# Altium PCB SONDE_2.PcbDoc (part 7 of 10) (continued)
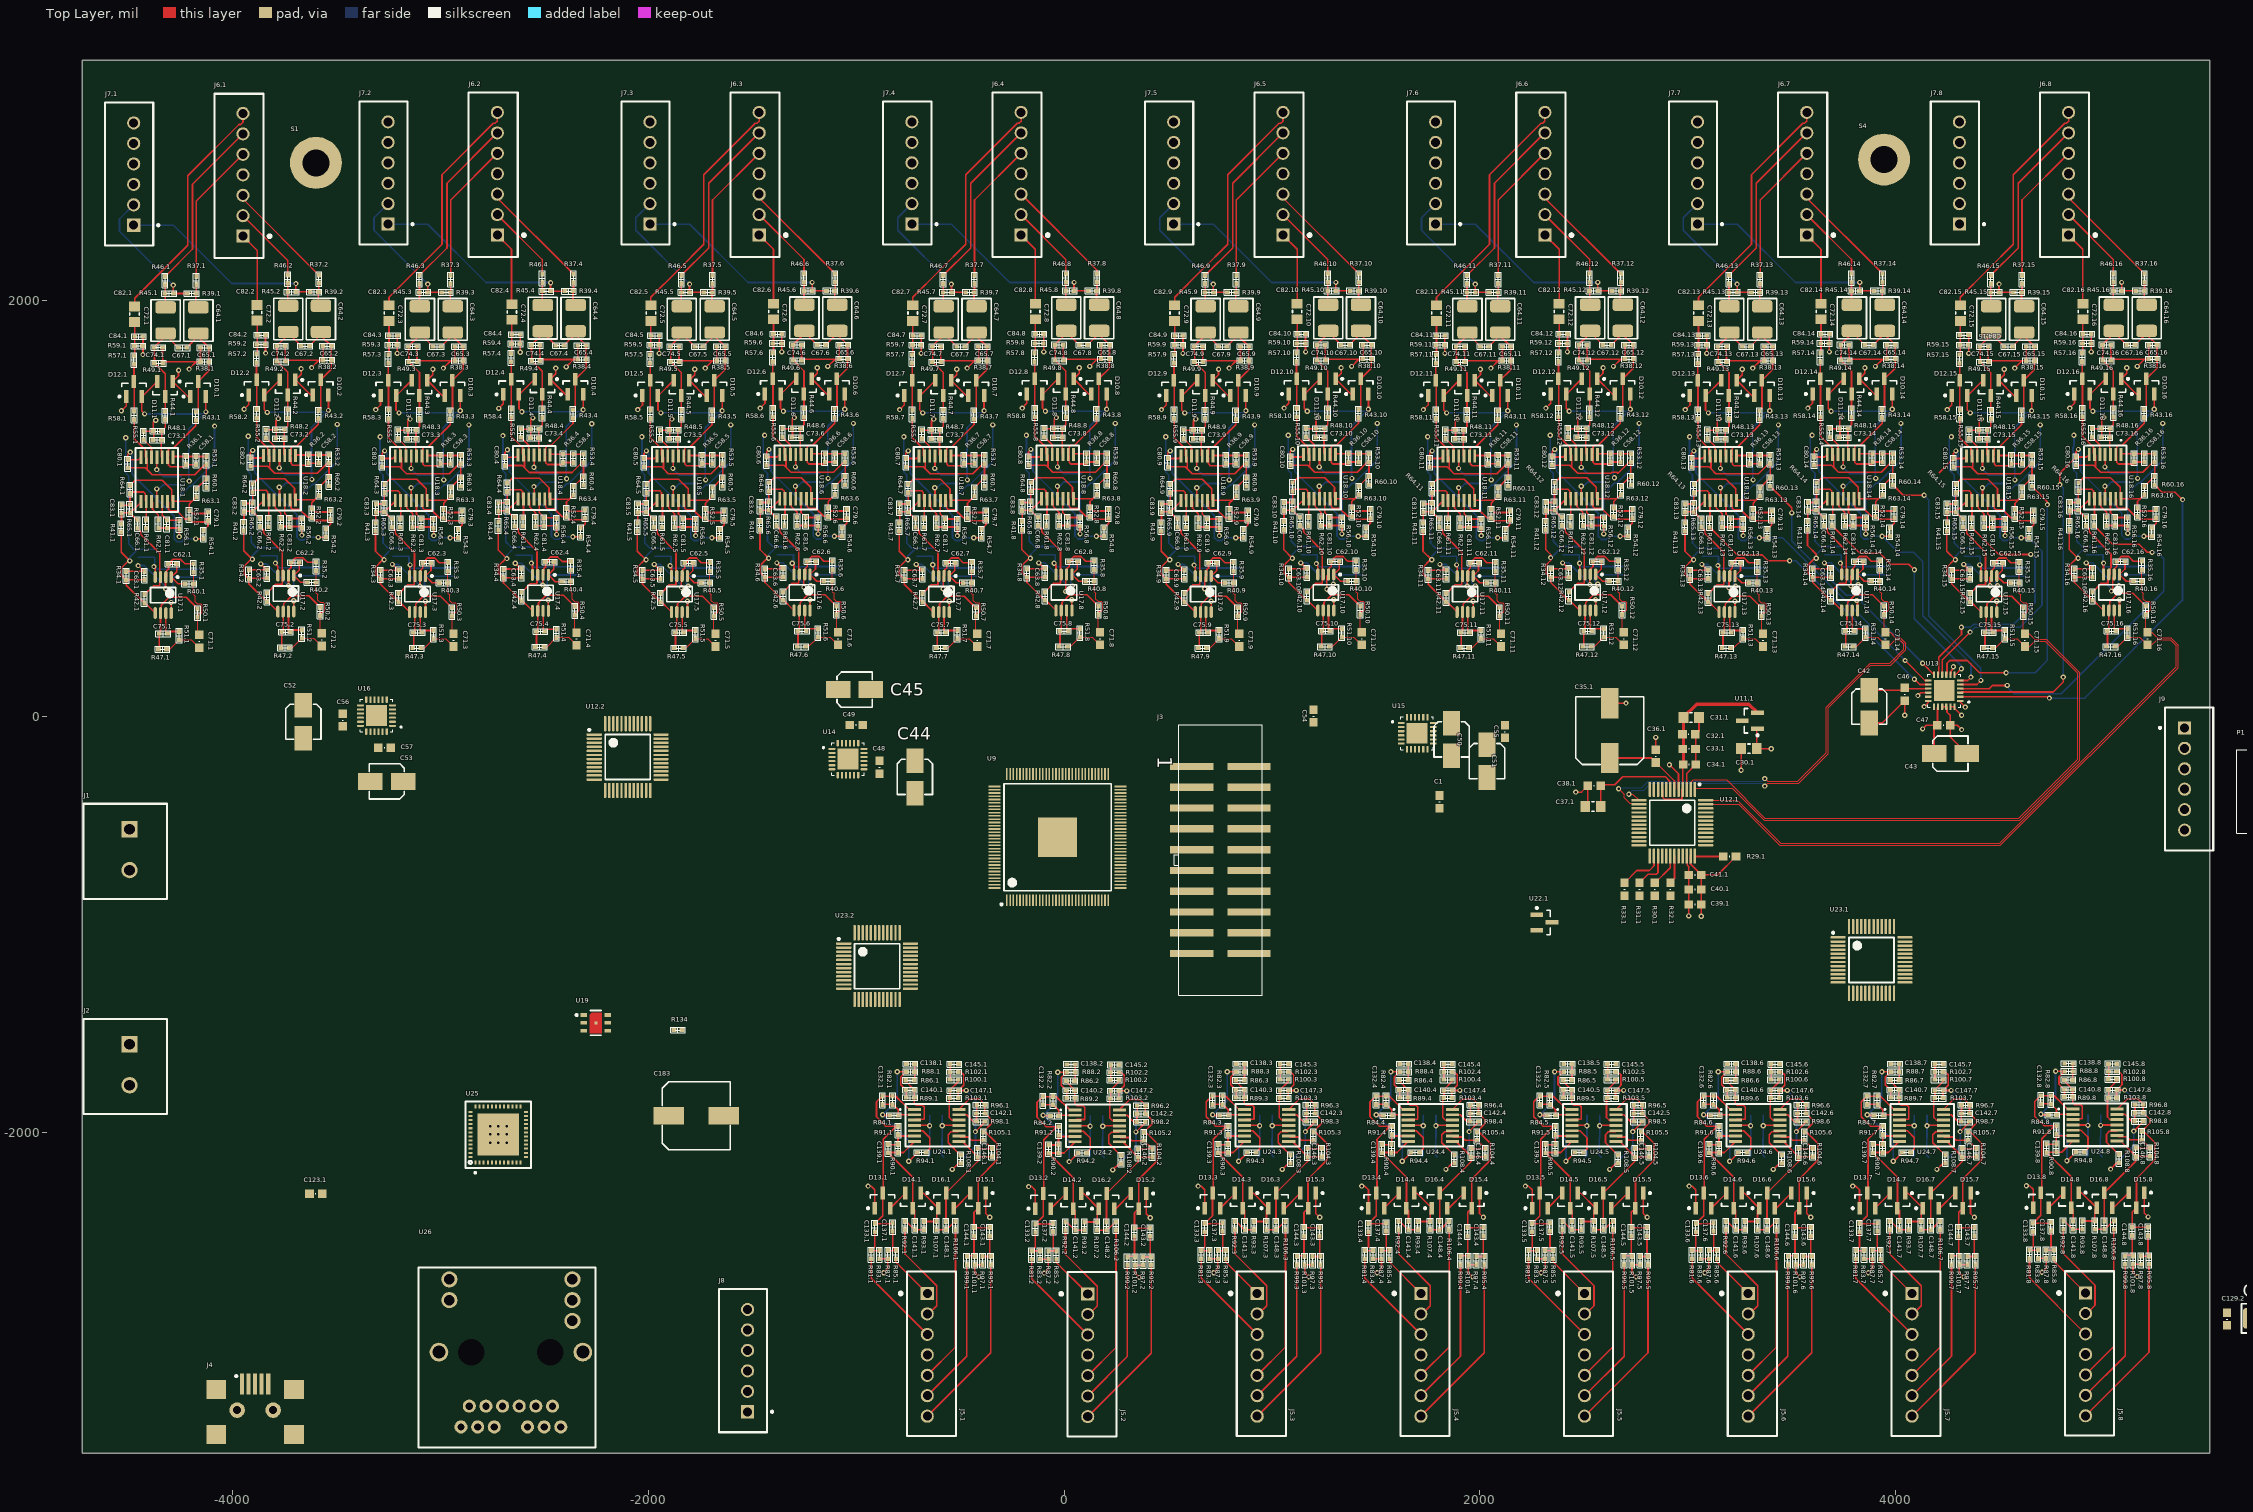
[diagram p0: Top Layer view]
## Nets (pads, with @x,y where several pads share a name; then routed paths per layer and width w, separated by ;. In a path a pad name is that pad's centre, name@x,y a point inside that pad or via, vN(x,y) a via of type N, cw(c..) or ccw(c..) an arc to the next point about the centre after c; other vN are vias at no path point) (continued)
NetC64.14_2: C64.14.2 C65.14.1 C67.14.1 D10.14.3 R38.14.1 R43.14.1 | length 503.9
  Top Layer w8: C67.14.1@3891.71,1787.66 C64.14.2@3947.62,1843.57 ; R43.14.1@3935.26,1478.33 3946.31,1489.38 D10.14.3@3946.31,1625.07 3997.31,1676.07 R38.14.1@3997.31,1719.65 C65.14.1@3997.31,1787.66 3997.31,1789.74 3975.55,1811.5 3973.47,1811.5 3947.62,1837.34 C64.14.2@3947.62,1843.57 ; C64.14.2@3947.62,1855.66 C64.14.2@3947.62,1843.57
NetC64.15_1: C64.15.1 R37.15.2 R39.15.1 | length 111.8
  Top Layer w8: R39.15.1@4605.48,2041.01 4605.48,1986.48 C64.15.1@4617.8,1974.16 ; R39.15.1@4607.8,2043.33 R37.15.2@4607.8,2083.17
NetC64.15_2: C64.15.2 C65.15.1 C67.15.1 D10.15.3 R38.15.1 R43.15.1 | length 503.9
  Top Layer w8: C67.15.1@4561.88,1780.18 C64.15.2@4617.8,1836.1 ; R43.15.1@4605.43,1470.86 4616.48,1481.9 D10.15.3@4616.48,1617.59 4667.48,1668.59 R38.15.1@4667.48,1712.17 C65.15.1@4667.48,1780.18 4667.48,1782.26 4645.72,1804.02 4643.64,1804.02 4617.8,1829.86 C64.15.2@4617.8,1836.1 ; C64.15.2@4617.8,1848.18 C64.15.2@4617.8,1836.1
NetC64.16_1: C64.16.1 R37.16.2 R39.16.1 | length 111.8
  Top Layer w8: R39.16.1@5195.15,2048.49 5195.15,1993.96 C64.16.1@5207.47,1981.64 ; R39.16.1@5197.47,2050.8 R37.16.2@5197.47,2090.65
NetC64.16_2: C64.16.2 C65.16.1 C67.16.1 D10.16.3 R38.16.1 R43.16.1 | length 503.9
  Top Layer w8: C67.16.1@5151.55,1787.66 C64.16.2@5207.47,1843.57 ; R43.16.1@5195.1,1478.33 5206.15,1489.38 D10.16.3@5206.15,1625.07 5257.15,1676.07 R38.16.1@5257.15,1719.65 C65.16.1@5257.15,1787.66 5257.15,1789.74 5235.39,1811.5 5233.31,1811.5 5207.47,1837.34 C64.16.2@5207.47,1843.57 ; C64.16.2@5207.47,1855.66 C64.16.2@5207.47,1843.57
NetC66.1_1: C66.1.1 C83.1.2 R41.1.2 R65.1.1 U18.1.8 | length 227.5
  Top Layer w8: R41.1.2@-4536.55,926.72 -4534.84,928.43 C83.1.2@-4534.84,978.38 -4536.55,980.03 R65.1.1@-4494.55,980.03 ; C66.1.1@-4457.55,946.4 -4460.92,946.4 R65.1.1@-4494.55,980.03 ; U18.1.8@-4441.33,1035.36 -4441.33,1031.18 -4478.91,993.59 -4483.09,993.59 -4494.55,982.13 R65.1.1@-4494.55,980.03
NetC66.1_2: C66.1.2 R42.1.2 U17.1.3 | length 418.8
  Top Layer w8: C66.1.2@-4457.55,907.03 -4441.4,890.88 -4441.4,876.39 -4350.51,785.5 -4350.51,671.33 U17.1.3@-4346.82,671.33 -4350.51,667.64 -4350.51,630.17 -4351.89,628.79 -4382.64,628.79 R42.1.2@-4424.84,586.6
NetC66.2_1: C66.2.1 C83.2.2 R41.2.2 R65.2.1 U18.2.8 | length 227.5
  Top Layer w8: R41.2.2@-3946.88,934.2 -3945.17,935.91 C83.2.2@-3945.17,985.85 -3946.88,987.51 R65.2.1@-3904.88,987.51 ; C66.2.1@-3867.88,953.88 -3871.25,953.88 R65.2.1@-3904.88,987.51 ; U18.2.8@-3851.65,1042.83 -3851.65,1038.66 -3889.24,1001.07 -3893.42,1001.07 -3904.88,989.6 R65.2.1@-3904.88,987.51
NetC66.2_2: C66.2.2 R42.2.2 U17.2.3 | length 418.8
  Top Layer w8: C66.2.2@-3867.88,914.51 -3851.72,898.35 -3851.72,883.87 -3760.84,792.98 -3760.84,678.81 U17.2.3@-3757.15,678.81 -3760.84,675.12 -3760.84,637.65 -3762.22,636.27 -3792.97,636.27 R42.2.2@-3835.16,594.07
NetC66.3_1: C66.3.1 C83.3.2 R41.3.2 R65.3.1 U18.3.8 | length 227.5
  Top Layer w8: R41.3.2@-3312.97,931.86 -3311.26,933.57 C83.3.2@-3311.26,983.51 -3312.97,985.17 R65.3.1@-3270.97,985.17 ; C66.3.1@-3233.97,951.54 -3237.34,951.54 R65.3.1@-3270.97,985.17 ; U18.3.8@-3217.74,1040.49 -3217.74,1036.32 -3255.33,998.73 -3259.51,998.73 -3270.97,987.27 R65.3.1@-3270.97,985.17
NetC66.3_2: C66.3.2 R42.3.2 U17.3.3 | length 420.1
  Top Layer w8: C66.3.2@-3233.97,912.17 -3217.81,896.01 -3217.81,881.53 -3125.36,789.07 -3125.36,721.09 -3126.93,719.53 -3126.93,676.47 U17.3.3@-3123.24,676.47 -3126.93,672.78 -3126.93,635.31 -3128.31,633.93 -3159.06,633.93 R42.3.2@-3201.25,591.73
NetC66.4_1: C66.4.1 C83.4.2 R41.4.2 R65.4.1 U18.4.8 | length 227.5
  Top Layer w8: R41.4.2@-2721.94,937.45 -2720.23,939.16 C83.4.2@-2720.23,989.1 -2721.94,990.76 R65.4.1@-2679.94,990.76 ; C66.4.1@-2642.94,957.13 -2646.31,957.13 R65.4.1@-2679.94,990.76 ; U18.4.8@-2626.71,1046.08 -2626.71,1041.91 -2664.3,1004.32 -2668.48,1004.32 -2679.94,992.86 R65.4.1@-2679.94,990.76
NetC66.4_2: C66.4.2 R42.4.2 U17.4.3 | length 418.8
  Top Layer w8: C66.4.2@-2642.94,917.76 -2626.78,901.6 -2626.78,887.12 -2535.9,796.23 -2535.9,682.06 U17.4.3@-2532.21,682.06 -2535.9,678.37 -2535.9,640.9 -2537.28,639.52 -2568.03,639.52 R42.4.2@-2610.22,597.33
NetC66.5_1: C66.5.1 C83.5.2 R41.5.2 R65.5.1 U18.5.8 | length 227.5
  Top Layer w8: R41.5.2@-2053.13,931.86 -2051.42,933.57 C83.5.2@-2051.42,983.51 -2053.13,985.17 R65.5.1@-2011.13,985.17 ; C66.5.1@-1974.13,951.54 -1977.5,951.54 R65.5.1@-2011.13,985.17 ; U18.5.8@-1957.9,1040.49 -1957.9,1036.32 -1995.49,998.73 -1999.67,998.73 -2011.13,987.27 R65.5.1@-2011.13,985.17
NetC66.5_2: C66.5.2 R42.5.2 U17.5.3 | length 418.8
  Top Layer w8: C66.5.2@-1974.13,912.17 -1957.97,896.01 -1957.97,881.53 -1867.09,790.64 -1867.09,676.47 U17.5.3@-1863.4,676.47 -1867.09,672.78 -1867.09,635.31 -1868.47,633.93 -1899.22,633.93 R42.5.2@-1941.41,591.73
NetC66.6_1: C66.6.1 C83.6.2 R41.6.2 R65.6.1 U18.6.8 | length 227.5
  Top Layer w8: R41.6.2@-1463.46,939.33 -1461.74,941.05 C83.6.2@-1461.74,990.99 -1463.46,992.65 R65.6.1@-1421.46,992.65 ; C66.6.1@-1384.46,959.02 -1387.83,959.02 R65.6.1@-1421.46,992.65 ; U18.6.8@-1368.23,1047.97 -1368.23,1043.79 -1405.82,1006.21 -1409.99,1006.21 -1421.46,994.74 R65.6.1@-1421.46,992.65
NetC66.6_2: C66.6.2 R42.6.2 U17.6.3 | length 418.8
  Top Layer w8: C66.6.2@-1384.46,919.65 -1368.3,903.49 -1368.3,889 -1277.42,798.12 -1277.42,683.95 U17.6.3@-1273.72,683.95 -1277.42,680.26 -1277.42,642.78 -1278.8,641.4 -1309.55,641.4 R42.6.2@-1351.74,599.21
NetC66.7_1: C66.7.1 C83.7.2 R41.7.2 R65.7.1 U18.7.8 | length 227.5
  Top Layer w8: R41.7.2@-793.29,931.86 -791.57,933.57 C83.7.2@-791.57,983.51 -793.29,985.17 R65.7.1@-751.29,985.17 ; C66.7.1@-714.29,951.54 -717.66,951.54 R65.7.1@-751.29,985.17 ; U18.7.8@-698.06,1040.49 -698.06,1036.32 -735.65,998.73 -739.82,998.73 -751.29,987.27 R65.7.1@-751.29,985.17
NetC66.7_2: C66.7.2 R42.7.2 U17.7.3 | length 418.8
  Top Layer w8: C66.7.2@-714.29,912.17 -698.13,896.01 -698.13,881.53 -607.24,790.64 -607.24,676.47 U17.7.3@-603.55,676.47 -607.24,672.78 -607.24,635.31 -608.63,633.93 -639.38,633.93 R42.7.2@-681.57,591.73
NetC66.8_1: C66.8.1 C83.8.2 R41.8.2 R65.8.1 U18.8.8 | length 227.5
  Top Layer w8: R41.8.2@-203.62,939.33 -201.9,941.05 C83.8.2@-201.9,990.99 -203.62,992.65 R65.8.1@-161.62,992.65 ; C66.8.1@-124.62,959.02 -127.99,959.02 R65.8.1@-161.62,992.65 ; U18.8.8@-108.39,1047.97 -108.39,1043.79 -145.97,1006.21 -150.15,1006.21 -161.62,994.74 R65.8.1@-161.62,992.65
NetC66.8_2: C66.8.2 R42.8.2 U17.8.3 | length 418.8
  Top Layer w8: C66.8.2@-124.62,919.65 -108.46,903.49 -108.46,889 -17.57,798.12 -17.57,683.95 U17.8.3@-13.88,683.95 -17.57,680.26 -17.57,642.78 -18.95,641.4 -49.7,641.4 R42.8.2@-91.9,599.21
NetC66.9_1: C66.9.1 C83.9.2 R41.9.2 R65.9.1 U18.9.8 | length 227.5
  Top Layer w8: R41.9.2@466.56,931.86 468.27,933.57 C83.9.2@468.27,983.51 466.56,985.17 R65.9.1@508.56,985.17 ; C66.9.1@545.56,951.54 542.19,951.54 R65.9.1@508.56,985.17 ; U18.9.8@561.78,1040.49 561.78,1036.32 524.2,998.73 520.02,998.73 508.56,987.27 R65.9.1@508.56,985.17
NetC66.9_2: C66.9.2 R42.9.2 U17.9.3 | length 418.8
  Top Layer w8: C66.9.2@545.56,912.17 561.71,896.01 561.71,881.53 652.6,790.64 652.6,676.47 U17.9.3@656.29,676.47 652.6,672.78 652.6,635.31 651.22,633.93 620.47,633.93 R42.9.2@578.27,591.73
NetC66.10_1: C66.10.1 C83.10.2 R41.10.2 R65.10.1 U18.10.8 | length 227.5
  Top Layer w8: R41.10.2@1056.23,939.33 1057.94,941.05 C83.10.2@1057.94,990.99 1056.23,992.65 R65.10.1@1098.23,992.65 ; C66.10.1@1135.23,959.02 1131.86,959.02 R65.10.1@1098.23,992.65 ; U18.10.8@1151.46,1047.97 1151.46,1043.79 1113.87,1006.21 1109.69,1006.21 1098.23,994.74 R65.10.1@1098.23,992.65
NetC66.10_2: C66.10.2 R42.10.2 U17.10.3 | length 418.8
  Top Layer w8: C66.10.2@1135.23,919.65 1151.38,903.49 1151.38,889 1242.27,798.12 1242.27,683.95 U17.10.3@1245.96,683.95 1242.27,680.26 1242.27,642.78 1240.89,641.4 1210.14,641.4 R42.10.2@1167.95,599.21
NetC66.11_1: C66.11.1 C83.11.2 R41.11.2 R65.11.1 U18.11.8 | length 227.5
  Top Layer w8: R41.11.2@1726.4,931.86 1728.11,933.57 C83.11.2@1728.11,983.51 1726.4,985.17 R65.11.1@1768.4,985.17 ; C66.11.1@1805.4,951.54 1802.03,951.54 R65.11.1@1768.4,985.17 ; U18.11.8@1821.63,1040.49 1821.63,1036.32 1784.04,998.73 1779.86,998.73 1768.4,987.27 R65.11.1@1768.4,985.17
NetC66.11_2: C66.11.2 R42.11.2 U17.11.3 | length 418.8
  Top Layer w8: C66.11.2@1805.4,912.17 1821.56,896.01 1821.56,881.53 1912.44,790.64 1912.44,676.47 U17.11.3@1916.13,676.47 1912.44,672.78 1912.44,635.31 1911.06,633.93 1880.31,633.93 R42.11.2@1838.12,591.73
NetC66.12_1: C66.12.1 C83.12.2 R41.12.2 R65.12.1 U18.12.8 | length 227.5
  Top Layer w8: R41.12.2@2316.07,939.33 2317.78,941.05 C83.12.2@2317.78,990.99 2316.07,992.65 R65.12.1@2358.07,992.65 ; C66.12.1@2395.07,959.02 2391.7,959.02 R65.12.1@2358.07,992.65 ; U18.12.8@2411.3,1047.97 2411.3,1043.79 2373.71,1006.21 2369.53,1006.21 2358.07,994.74 R65.12.1@2358.07,992.65
NetC66.12_2: C66.12.2 R42.12.2 U17.12.3 | length 418.8
  Top Layer w8: C66.12.2@2395.07,919.65 2411.23,903.49 2411.23,889 2502.11,798.12 2502.11,683.95 U17.12.3@2505.8,683.95 2502.11,680.26 2502.11,642.78 2500.73,641.4 2469.98,641.4 R42.12.2@2427.79,599.21
NetC66.13_1: C66.13.1 C83.13.2 R41.13.2 R65.13.1 U18.13.8 | length 227.5
  Top Layer w8: R41.13.2@2986.24,931.86 2987.95,933.57 C83.13.2@2987.95,983.51 2986.24,985.17 R65.13.1@3028.24,985.17 ; C66.13.1@3065.24,951.54 3061.87,951.54 R65.13.1@3028.24,985.17 ; U18.13.8@3081.47,1040.49 3081.47,1036.32 3043.88,998.73 3039.7,998.73 3028.24,987.27 R65.13.1@3028.24,985.17
NetC66.13_2: C66.13.2 R42.13.2 U17.13.3 | length 418.8
  Top Layer w8: C66.13.2@3065.24,912.17 3081.4,896.01 3081.4,881.53 3172.28,790.64 3172.28,676.47 U17.13.3@3175.97,676.47 3172.28,672.78 3172.28,635.31 3170.9,633.93 3140.15,633.93 R42.13.2@3097.96,591.73
NetC66.14_1: C66.14.1 C83.14.2 R41.14.2 R65.14.1 U18.14.8 | length 227.5
  Top Layer w8: R41.14.2@3575.91,939.33 3577.63,941.05 C83.14.2@3577.63,990.99 3575.91,992.65 R65.14.1@3617.91,992.65 ; C66.14.1@3654.91,959.02 3651.54,959.02 R65.14.1@3617.91,992.65 ; U18.14.8@3671.14,1047.97 3671.14,1043.79 3633.55,1006.21 3629.38,1006.21 3617.91,994.74 R65.14.1@3617.91,992.65
NetC66.14_2: C66.14.2 R42.14.2 U17.14.3 | length 418.8
  Top Layer w8: C66.14.2@3654.91,919.65 3671.07,903.49 3671.07,889 3761.95,798.12 3761.95,683.95 U17.14.3@3765.65,683.95 3761.95,680.26 3761.95,642.78 3760.57,641.4 3729.82,641.4 R42.14.2@3687.63,599.21
NetC66.15_1: C66.15.1 C83.15.2 R41.15.2 R65.15.1 U18.15.8 | length 227.5
  Top Layer w8: R41.15.2@4246.08,931.86 4247.8,933.57 C83.15.2@4247.8,983.51 4246.08,985.17 R65.15.1@4288.08,985.17 ; C66.15.1@4325.08,951.54 4321.71,951.54 R65.15.1@4288.08,985.17 ; U18.15.8@4341.31,1040.49 4341.31,1036.32 4303.72,998.73 4299.55,998.73 4288.08,987.27 R65.15.1@4288.08,985.17
NetC66.15_2: C66.15.2 R42.15.2 U17.15.3 | length 418.8
  Top Layer w8: C66.15.2@4325.08,912.17 4341.24,896.01 4341.24,881.53 4432.13,790.64 4432.13,676.47 U17.15.3@4435.82,676.47 4432.13,672.78 4432.13,635.31 4430.74,633.93 4399.99,633.93 R42.15.2@4357.8,591.73
NetC66.16_1: C66.16.1 C83.16.2 R41.16.2 R65.16.1 U18.16.8 | length 227.5
  Top Layer w8: R41.16.2@4835.75,939.33 4837.47,941.05 C83.16.2@4837.47,990.99 4835.76,992.65 R65.16.1@4877.75,992.65 ; C66.16.1@4914.75,959.02 4911.38,959.02 R65.16.1@4877.75,992.65 ; U18.16.8@4930.98,1047.97 4930.98,1043.79 4893.4,1006.21 4889.22,1006.21 4877.75,994.74 R65.16.1@4877.75,992.65
NetC66.16_2: C66.16.2 R42.16.2 U17.16.3 | length 429.3
  Top Layer w8: C66.16.2@4914.75,919.65 4930.91,903.49 4930.91,889 5036,783.91 5036,716.24 5032.18,712.42 5032.18,683.95 U17.16.3@5025.49,683.95 5021.8,680.26 5021.8,642.78 5020.42,641.4 4989.67,641.4 R42.16.2@4947.47,599.21
NetC67.1_2: C67.1.2 C72.1.2 C74.1.1 D11.1.3 R44.1.1 R49.1.1 | length 513.1
  Top Layer w8: R44.1.1@-4324.84,1468.2 D11.1.3@-4324.84,1539.62 -4324.84,1650.18 -4376.73,1702.07 R49.1.1@-4375.68,1699.91 C74.1.1@-4376.73,1776.03 -4376.73,1778.12 -4354.97,1799.88 -4352.89,1799.88 -4322.77,1830 C72.1.2@-4322.77,1837.68 ; C72.1.2@-4322.77,1843.04 C72.1.2@-4322.77,1837.68 ; C67.1.2@-4260.13,1775.04 C72.1.2@-4322.77,1837.68
NetC67.2_2: C67.2.2 C72.2.2 C74.2.1 D11.2.3 R44.2.1 R49.2.1 | length 513.1
  Top Layer w8: R44.2.1@-3735.17,1475.68 D11.2.3@-3735.17,1547.09 -3735.17,1657.65 -3787.06,1709.54 R49.2.1@-3786.01,1707.39 C74.2.1@-3787.06,1783.51 -3787.06,1785.59 -3765.3,1807.35 -3763.22,1807.35 -3733.1,1837.47 C72.2.2@-3733.1,1845.16 ; C72.2.2@-3733.1,1850.52 C72.2.2@-3733.1,1845.16 ; C67.2.2@-3670.46,1782.52 C72.2.2@-3733.1,1845.16
NetC67.3_2: C67.3.2 C72.3.2 C74.3.1 D11.3.3 R44.3.1 R49.3.1 | length 513.1
  Top Layer w8: R44.3.1@-3101.26,1473.34 D11.3.3@-3101.26,1544.75 -3101.26,1655.31 -3153.15,1707.2 R49.3.1@-3152.1,1705.05 C74.3.1@-3153.15,1781.17 -3153.15,1783.25 -3131.39,1805.01 -3129.31,1805.01 -3099.19,1835.13 C72.3.2@-3099.19,1842.82 ; C72.3.2@-3099.19,1848.18 C72.3.2@-3099.19,1842.82 ; C67.3.2@-3036.55,1780.18 C72.3.2@-3099.19,1842.82
NetC67.4_2: C67.4.2 C72.4.2 C74.4.1 D11.4.3 R44.4.1 R49.4.1 | length 513.1
  Top Layer w8: R44.4.1@-2510.23,1478.93 D11.4.3@-2510.23,1550.35 -2510.23,1660.9 -2562.12,1712.79 R49.4.1@-2561.07,1710.64 C74.4.1@-2562.12,1786.76 -2562.12,1788.84 -2540.36,1810.61 -2538.28,1810.61 -2508.16,1840.72 C72.4.2@-2508.16,1848.41 ; C72.4.2@-2508.16,1853.77 C72.4.2@-2508.16,1848.41 ; C67.4.2@-2445.52,1785.77 C72.4.2@-2508.16,1848.41
NetC67.5_2: C67.5.2 C72.5.2 C74.5.1 D11.5.3 R44.5.1 R49.5.1 | length 513.1
  Top Layer w8: R44.5.1@-1841.42,1473.34 D11.5.3@-1841.42,1544.75 -1841.42,1655.31 -1893.31,1707.2 R49.5.1@-1892.26,1705.05 C74.5.1@-1893.31,1781.17 -1893.31,1783.25 -1871.55,1805.01 -1869.46,1805.01 -1839.35,1835.13 C72.5.2@-1839.35,1842.82 ; C72.5.2@-1839.35,1848.18 C72.5.2@-1839.35,1842.82 ; C67.5.2@-1776.7,1780.18 C72.5.2@-1839.35,1842.82
NetC67.6_2: C67.6.2 C72.6.2 C74.6.1 D11.6.3 R44.6.1 R49.6.1 | length 513.1
  Top Layer w8: R44.6.1@-1251.75,1480.81 D11.6.3@-1251.75,1552.23 -1251.75,1662.79 -1303.63,1714.68 R49.6.1@-1302.59,1712.53 C74.6.1@-1303.63,1788.65 -1303.63,1790.73 -1281.87,1812.49 -1279.79,1812.49 -1249.67,1842.61 C72.6.2@-1249.67,1850.3 ; C72.6.2@-1249.67,1855.66 C72.6.2@-1249.67,1850.3 ; C67.6.2@-1187.03,1787.66 C72.6.2@-1249.67,1850.3
NetC67.7_2: C67.7.2 C72.7.2 C74.7.1 D11.7.3 R44.7.1 R49.7.1 | length 513.1
  Top Layer w8: R44.7.1@-581.57,1473.34 D11.7.3@-581.57,1544.75 -581.57,1655.31 -633.46,1707.2 R49.7.1@-632.42,1705.05 C74.7.1@-633.46,1781.17 -633.46,1783.25 -611.7,1805.01 -609.62,1805.01 -579.5,1835.13 C72.7.2@-579.5,1842.82 ; C72.7.2@-579.5,1848.18 C72.7.2@-579.5,1842.82 ; C67.7.2@-516.86,1780.18 C72.7.2@-579.5,1842.82
NetC67.8_2: C67.8.2 C72.8.2 C74.8.1 D11.8.3 R44.8.1 R49.8.1 | length 513.1
  Top Layer w8: R44.8.1@8.1,1480.81 D11.8.3@8.1,1552.23 8.1,1662.79 -43.79,1714.68 R49.8.1@-42.75,1712.53 C74.8.1@-43.79,1788.65 -43.79,1790.73 -22.03,1812.49 -19.95,1812.49 10.17,1842.61 C72.8.2@10.17,1850.3 ; C72.8.2@10.17,1855.66 C72.8.2@10.17,1850.3 ; C67.8.2@72.81,1787.66 C72.8.2@10.17,1850.3
NetC67.9_2: C67.9.2 C72.9.2 C74.9.1 D11.9.3 R44.9.1 R49.9.1 | length 513.1
  Top Layer w8: R44.9.1@678.27,1473.34 D11.9.3@678.27,1544.75 678.27,1655.31 626.38,1707.2 R49.9.1@627.42,1705.05 C74.9.1@626.38,1781.17 626.38,1783.25 648.14,1805.01 650.22,1805.01 680.34,1835.13 C72.9.2@680.34,1842.82 ; C72.9.2@680.34,1848.18 C72.9.2@680.34,1842.82 ; C67.9.2@742.98,1780.18 C72.9.2@680.34,1842.82
NetC67.10_2: C67.10.2 C72.10.2 C74.10.1 D11.10.3 R44.10.1 R49.10.1 | length 513.1
  Top Layer w8: R44.10.1@1267.94,1480.81 D11.10.3@1267.94,1552.23 1267.94,1662.79 1216.05,1714.68 R49.10.1@1217.1,1712.53 C74.10.1@1216.05,1788.65 1216.05,1790.73 1237.81,1812.49 1239.89,1812.49 1270.01,1842.61 C72.10.2@1270.01,1850.3 ; C72.10.2@1270.01,1855.66 C72.10.2@1270.01,1850.3 ; C67.10.2@1332.65,1787.66 C72.10.2@1270.01,1850.3
NetC67.11_2: C67.11.2 C72.11.2 C74.11.1 D11.11.3 R44.11.1 R49.11.1 | length 513.1
  Top Layer w8: R44.11.1@1938.11,1473.34 D11.11.3@1938.11,1544.75 1938.11,1655.31 1886.22,1707.2 R49.11.1@1887.27,1705.05 C74.11.1@1886.22,1781.17 1886.22,1783.25 1907.98,1805.01 1910.06,1805.01 1940.18,1835.13 C72.11.2@1940.18,1842.82 ; C72.11.2@1940.18,1848.18 C72.11.2@1940.18,1842.82 ; C67.11.2@2002.82,1780.18 C72.11.2@1940.18,1842.82
NetC67.12_2: C67.12.2 C72.12.2 C74.12.1 D11.12.3 R44.12.1 R49.12.1 | length 513.1
  Top Layer w8: R44.12.1@2527.78,1480.81 D11.12.3@2527.78,1552.23 2527.78,1662.79 2475.89,1714.68 R49.12.1@2476.94,1712.53 C74.12.1@2475.89,1788.65 2475.89,1790.73 2497.65,1812.49 2499.74,1812.49 2529.85,1842.61 C72.12.2@2529.85,1850.3 ; C72.12.2@2529.85,1855.66 C72.12.2@2529.85,1850.3 ; C67.12.2@2592.5,1787.66 C72.12.2@2529.85,1850.3
NetC67.13_2: C67.13.2 C72.13.2 C74.13.1 D11.13.3 R44.13.1 R49.13.1 | length 513.1
  Top Layer w8: R44.13.1@3197.95,1473.34 D11.13.3@3197.95,1544.75 3197.95,1655.31 3146.06,1707.2 R49.13.1@3147.11,1705.05 C74.13.1@3146.06,1781.17 3146.06,1783.25 3167.82,1805.01 3169.91,1805.01 3200.02,1835.13 C72.13.2@3200.02,1842.82 ; C72.13.2@3200.02,1848.18 C72.13.2@3200.02,1842.82 ; C67.13.2@3262.67,1780.18 C72.13.2@3200.02,1842.82
NetC67.14_2: C67.14.2 C72.14.2 C74.14.1 D11.14.3 R44.14.1 R49.14.1 | length 513.1
  Top Layer w8: R44.14.1@3787.62,1480.81 D11.14.3@3787.62,1552.23 3787.62,1662.79 3735.74,1714.68 R49.14.1@3736.78,1712.53 C74.14.1@3735.74,1788.65 3735.74,1790.73 3757.5,1812.49 3759.58,1812.49 3789.7,1842.61 C72.14.2@3789.7,1850.3 ; C72.14.2@3789.7,1855.66 C72.14.2@3789.7,1850.3 ; C67.14.2@3852.34,1787.66 C72.14.2@3789.7,1850.3
NetC67.15_2: C67.15.2 C72.15.2 C74.15.1 D11.15.3 R44.15.1 R49.15.1 | length 513.1
  Top Layer w8: R44.15.1@4457.8,1473.34 D11.15.3@4457.8,1544.75 4457.8,1655.31 4405.91,1707.2 R49.15.1@4406.95,1705.05 C74.15.1@4405.91,1781.17 4405.91,1783.25 4427.67,1805.01 4429.75,1805.01 4459.87,1835.13 C72.15.2@4459.87,1842.82 ; C72.15.2@4459.87,1848.18 C72.15.2@4459.87,1842.82 ; C67.15.2@4522.51,1780.18 C72.15.2@4459.87,1842.82
NetC67.16_2: C67.16.2 C72.16.2 C74.16.1 D11.16.3 R44.16.1 R49.16.1 | length 513.1
  Top Layer w8: R44.16.1@5047.47,1480.81 D11.16.3@5047.47,1552.23 5047.47,1662.79 4995.58,1714.68 R49.16.1@4996.62,1712.53 C74.16.1@4995.58,1788.65 4995.58,1790.73 5017.34,1812.49 5019.42,1812.49 5049.54,1842.61 C72.16.2@5049.54,1850.3 ; C72.16.2@5049.54,1855.66 C72.16.2@5049.54,1850.3 ; C67.16.2@5112.18,1787.66 C72.16.2@5049.54,1850.3
NetC72.1_1: C72.1.1 R45.1.2 R46.1.2 | length 109.9
  Top Layer w8: R46.1.2@-4324.84,2078.03 -4324.84,1971.1 C72.1.1@-4322.77,1969.03
NetC72.2_1: C72.2.1 R45.2.2 R46.2.2 | length 109.9
  Top Layer w8: R46.2.2@-3735.17,2085.51 -3735.17,1978.57 C72.2.1@-3733.1,1976.5
NetC72.3_1: C72.3.1 R45.3.2 R46.3.2 | length 109.9
  Top Layer w8: R46.3.2@-3101.26,2083.17 -3101.26,1976.23 C72.3.1@-3099.19,1974.16
NetC72.4_1: C72.4.1 R45.4.2 R46.4.2 | length 109.9
  Top Layer w8: R46.4.2@-2510.23,2088.76 -2510.23,1981.83 C72.4.1@-2508.16,1979.75
NetC72.5_1: C72.5.1 R45.5.2 R46.5.2 | length 109.9
  Top Layer w8: R46.5.2@-1841.42,2083.17 -1841.42,1976.23 C72.5.1@-1839.35,1974.16
NetC72.6_1: C72.6.1 R45.6.2 R46.6.2 | length 109.9
  Top Layer w8: R46.6.2@-1251.75,2090.65 -1251.75,1983.71 C72.6.1@-1249.67,1981.64
NetC72.7_1: C72.7.1 R45.7.2 R46.7.2 | length 109.9
  Top Layer w8: R46.7.2@-581.57,2083.17 -581.57,1976.23 C72.7.1@-579.5,1974.16
NetC72.8_1: C72.8.1 R45.8.2 R46.8.2 | length 109.9
  Top Layer w8: R46.8.2@8.1,2090.65 8.1,1983.71 C72.8.1@10.17,1981.64
NetC72.9_1: C72.9.1 R45.9.2 R46.9.2 | length 109.9
  Top Layer w8: R46.9.2@678.27,2083.17 678.27,1976.23 C72.9.1@680.34,1974.16
NetC72.10_1: C72.10.1 R45.10.2 R46.10.2 | length 109.9
  Top Layer w8: R46.10.2@1267.94,2090.65 1267.94,1983.71 C72.10.1@1270.01,1981.64
NetC72.11_1: C72.11.1 R45.11.2 R46.11.2 | length 109.9
  Top Layer w8: R46.11.2@1938.11,2083.17 1938.11,1976.23 C72.11.1@1940.18,1974.16
NetC72.12_1: C72.12.1 R45.12.2 R46.12.2 | length 109.9
  Top Layer w8: R46.12.2@2527.78,2090.65 2527.78,1983.71 C72.12.1@2529.85,1981.64
NetC72.13_1: C72.13.1 R45.13.2 R46.13.2 | length 109.9
  Top Layer w8: R46.13.2@3197.95,2083.17 3197.95,1976.23 C72.13.1@3200.02,1974.16
NetC72.14_1: C72.14.1 R45.14.2 R46.14.2 | length 109.9
  Top Layer w8: R46.14.2@3787.62,2090.65 3787.62,1983.71 C72.14.1@3789.7,1981.64
NetC72.15_1: C72.15.1 R45.15.2 R46.15.2 | length 109.9
  Top Layer w8: R46.15.2@4457.8,2083.17 4457.8,1976.23 C72.15.1@4459.87,1974.16
NetC72.16_1: C72.16.1 R45.16.2 R46.16.2 | length 109.9
  Top Layer w8: R46.16.2@5047.47,2090.65 5047.47,1983.71 C72.16.1@5049.54,1981.64
NetC73.1_2: C73.1.2 R44.1.2 R48.1.1 U18.1.3 | length 190
  Top Layer w8: U18.1.3@-4338.96,1247.96 -4342.87,1251.86 C73.1.2@-4342.87,1330.78 -4341.87,1331.78 R48.1.1@-4341.87,1373.78 -4324.84,1390.81 R44.1.2@-4324.84,1428.83
NetC73.2_2: C73.2.2 R44.2.2 R48.2.1 U18.2.3 | length 190
  Top Layer w8: U18.2.3@-3749.29,1255.43 -3753.2,1259.34 C73.2.2@-3753.2,1338.25 -3752.2,1339.25 R48.2.1@-3752.2,1381.25 -3735.17,1398.28 R44.2.2@-3735.17,1436.31
NetC73.3_2: C73.3.2 R44.3.2 R48.3.1 U18.3.3 | length 190
  Top Layer w8: U18.3.3@-3115.38,1253.09 -3119.29,1257 C73.3.2@-3119.29,1335.92 -3118.29,1336.92 R48.3.1@-3118.29,1378.92 -3101.26,1395.94 R44.3.2@-3101.26,1433.97
NetC73.4_2: C73.4.2 R44.4.2 R48.4.1 U18.4.3 | length 190
  Top Layer w8: U18.4.3@-2524.35,1258.68 -2528.26,1262.59 C73.4.2@-2528.26,1341.51 -2527.26,1342.51 R48.4.1@-2527.26,1384.51 -2510.23,1401.53 R44.4.2@-2510.23,1439.56
NetC73.5_2: C73.5.2 R44.5.2 R48.5.1 U18.5.3 | length 190
  Top Layer w8: U18.5.3@-1855.54,1253.09 -1859.44,1257 C73.5.2@-1859.44,1335.92 -1858.44,1336.92 R48.5.1@-1858.44,1378.92 -1841.42,1395.94 R44.5.2@-1841.42,1433.97
NetC73.6_2: C73.6.2 R44.6.2 R48.6.1 U18.6.3 | length 190
  Top Layer w8: U18.6.3@-1265.87,1260.57 -1269.77,1264.47 C73.6.2@-1269.77,1343.39 -1268.77,1344.39 R48.6.1@-1268.77,1386.39 -1251.75,1403.42 R44.6.2@-1251.75,1441.44
NetC73.7_2: C73.7.2 R44.7.2 R48.7.1 U18.7.3 | length 190
  Top Layer w8: U18.7.3@-595.7,1253.09 -599.6,1257 C73.7.2@-599.6,1335.92 -598.6,1336.92 R48.7.1@-598.6,1378.92 -581.57,1395.94 R44.7.2@-581.57,1433.97
NetC73.8_2: C73.8.2 R44.8.2 R48.8.1 U18.8.3 | length 190
  Top Layer w8: U18.8.3@-6.02,1260.57 -9.93,1264.47 C73.8.2@-9.93,1343.39 -8.93,1344.39 R48.8.1@-8.93,1386.39 8.1,1403.42 R44.8.2@8.1,1441.44
NetC73.9_2: C73.9.2 R44.9.2 R48.9.1 U18.9.3 | length 190
  Top Layer w8: U18.9.3@664.15,1253.09 660.24,1257 C73.9.2@660.24,1335.92 661.24,1336.92 R48.9.1@661.24,1378.92 678.27,1395.94 R44.9.2@678.27,1433.97
NetC73.10_2: C73.10.2 R44.10.2 R48.10.1 U18.10.3 | length 190
  Top Layer w8: U18.10.3@1253.82,1260.57 1249.91,1264.47 C73.10.2@1249.91,1343.39 1250.91,1344.39 R48.10.1@1250.91,1386.39 1267.94,1403.42 R44.10.2@1267.94,1441.44
NetC73.11_2: C73.11.2 R44.11.2 R48.11.1 U18.11.3 | length 190
  Top Layer w8: U18.11.3@1923.99,1253.09 1920.08,1257 C73.11.2@1920.08,1335.92 1921.08,1336.92 R48.11.1@1921.08,1378.92 1938.11,1395.94 R44.11.2@1938.11,1433.97
NetC73.12_2: C73.12.2 R44.12.2 R48.12.1 U18.12.3 | length 190
  Top Layer w8: U18.12.3@2513.66,1260.57 2509.75,1264.47 C73.12.2@2509.75,1343.39 2510.75,1344.39 R48.12.1@2510.75,1386.39 2527.78,1403.42 R44.12.2@2527.78,1441.44
NetC73.13_2: C73.13.2 R44.13.2 R48.13.1 U18.13.3 | length 190
  Top Layer w8: U18.13.3@3183.83,1253.09 3179.92,1257 C73.13.2@3179.92,1335.92 3180.92,1336.92 R48.13.1@3180.92,1378.92 3197.95,1395.94 R44.13.2@3197.95,1433.97
NetC73.14_2: C73.14.2 R44.14.2 R48.14.1 U18.14.3 | length 190
  Top Layer w8: U18.14.3@3773.5,1260.57 3769.6,1264.47 C73.14.2@3769.6,1343.39 3770.6,1344.39 R48.14.1@3770.6,1386.39 3787.62,1403.42 R44.14.2@3787.62,1441.44
NetC73.15_2: C73.15.2 R44.15.2 R48.15.1 U18.15.3 | length 190
  Top Layer w8: U18.15.3@4443.67,1253.09 4439.77,1257 C73.15.2@4439.77,1335.92 4440.77,1336.92 R48.15.1@4440.77,1378.92 4457.8,1395.94 R44.15.2@4457.8,1433.97
NetC73.16_2: C73.16.2 R44.16.2 R48.16.1 U18.16.3 | length 190
  Top Layer w8: U18.16.3@5033.35,1260.57 5029.44,1264.47 C73.16.2@5029.44,1343.39 5030.44,1344.39 R48.16.1@5030.44,1386.39 5047.47,1403.42 R44.16.2@5047.47,1441.44
NetC75.1_1: C75.1.1 R47.1.1 R50.1.1 U17.1.6 | length 444.5
  Top Layer w8: R47.1.1@-4353.1,328.02 C75.1.1@-4353.1,399.02 ; C75.1.1@-4345.21,406.91 C75.1.1@-4353.1,399.02 ; U17.1.6@-4343.44,494.72 -4343.13,494.72 U17.1.6@-4343.13,501.8 ; R50.1.1@-4168.17,518.42 -4223.47,573.72 -4305.97,573.72 -4343.13,536.56 U17.1.6@-4343.13,501.8 ; C75.1.1@-4353.1,399.02 -4346.82,405.3 U17.1.6@-4346.82,498.1 U17.1.6@-4343.13,501.8
NetC75.1_2: C75.1.2 R51.1.1 U17.1.7 | length 163.2
  Top Layer w8: U17.1.7@-4321.23,498.1 -4321.23,406.52 C75.1.2@-4313.73,399.02 -4303.34,409.4 R51.1.1@-4257.03,409.4
NetC75.2_1: C75.2.1 R47.2.1 R50.2.1 U17.2.6 | length 444.5
  Top Layer w8: R47.2.1@-3763.43,335.49 C75.2.1@-3763.43,406.49 ; C75.2.1@-3755.54,414.38 C75.2.1@-3763.43,406.49 ; U17.2.6@-3753.76,502.2 -3753.46,502.2 U17.2.6@-3753.46,509.27 ; R50.2.1@-3578.5,525.89 -3633.8,581.2 -3716.29,581.2 -3753.46,544.03 U17.2.6@-3753.46,509.27 ; C75.2.1@-3763.43,406.49 -3757.15,412.77 U17.2.6@-3757.15,505.58 U17.2.6@-3753.46,509.27
NetC75.2_2: C75.2.2 R51.2.1 U17.2.7 | length 163.2
  Top Layer w8: U17.2.7@-3731.56,505.58 -3731.56,413.99 C75.2.2@-3724.06,406.49 -3713.67,416.88 R51.2.1@-3667.35,416.88
NetC75.3_1: C75.3.1 R47.3.1 R50.3.1 U17.3.6 | length 444.5
  Top Layer w8: R47.3.1@-3129.52,333.16 C75.3.1@-3129.52,404.16 ; C75.3.1@-3121.63,412.05 C75.3.1@-3129.52,404.16 ; U17.3.6@-3119.85,499.86 -3119.55,499.86 U17.3.6@-3119.55,506.93 ; R50.3.1@-2944.59,523.55 -2999.89,578.86 -3082.39,578.86 -3119.55,541.69 U17.3.6@-3119.55,506.93 ; C75.3.1@-3129.52,404.16 -3123.24,410.44 U17.3.6@-3123.24,503.24 U17.3.6@-3119.55,506.93
NetC75.3_2: C75.3.2 R51.3.1 U17.3.7 | length 163.2
  Top Layer w8: U17.3.7@-3097.65,503.24 -3097.65,411.66 C75.3.2@-3090.15,404.16 -3079.76,414.54 R51.3.1@-3033.44,414.54
NetC75.4_1: C75.4.1 R47.4.1 R50.4.1 U17.4.6 | length 444.5
  Top Layer w8: R47.4.1@-2538.49,338.75 C75.4.1@-2538.49,409.75 ; C75.4.1@-2530.6,417.64 C75.4.1@-2538.49,409.75 ; U17.4.6@-2528.82,505.45 -2528.52,505.45 U17.4.6@-2528.52,512.52 ; R50.4.1@-2353.55,529.14 -2408.86,584.45 -2491.35,584.45 -2528.52,547.28 U17.4.6@-2528.52,512.52 ; C75.4.1@-2538.49,409.75 -2532.21,416.03 U17.4.6@-2532.21,508.83 U17.4.6@-2528.52,512.52
NetC75.4_2: C75.4.2 R51.4.1 U17.4.7 | length 163.2
  Top Layer w8: U17.4.7@-2506.62,508.83 -2506.62,417.25 C75.4.2@-2499.12,409.75 -2488.73,420.13 R51.4.1@-2442.41,420.13
NetC75.5_1: C75.5.1 R47.5.1 R50.5.1 U17.5.6 | length 444.5
  Top Layer w8: R47.5.1@-1869.68,333.16 C75.5.1@-1869.68,404.16 ; C75.5.1@-1861.79,412.05 C75.5.1@-1869.68,404.16 ; U17.5.6@-1860.01,499.86 -1859.71,499.86 U17.5.6@-1859.71,506.93 ; R50.5.1@-1684.74,523.55 -1740.05,578.86 -1822.54,578.86 -1859.71,541.69 U17.5.6@-1859.71,506.93 ; C75.5.1@-1869.68,404.16 -1863.4,410.44 U17.5.6@-1863.4,503.24 U17.5.6@-1859.71,506.93
NetC75.5_2: C75.5.2 R51.5.1 U17.5.7 | length 163.2
  Top Layer w8: U17.5.7@-1837.81,503.24 -1837.81,411.66 C75.5.2@-1830.31,404.16 -1819.92,414.54 R51.5.1@-1773.6,414.54
NetC75.6_1: C75.6.1 R47.6.1 R50.6.1 U17.6.6 | length 444.5
  Top Layer w8: R47.6.1@-1280,340.63 C75.6.1@-1280,411.63 ; C75.6.1@-1272.11,419.52 C75.6.1@-1280,411.63 ; U17.6.6@-1270.34,507.33 -1270.03,507.33 U17.6.6@-1270.03,514.41 ; R50.6.1@-1095.07,531.03 -1150.37,586.33 -1232.87,586.33 -1270.03,549.17 U17.6.6@-1270.03,514.41 ; C75.6.1@-1280,411.63 -1273.72,417.91 U17.6.6@-1273.72,510.72 U17.6.6@-1270.03,514.41
NetC75.6_2: C75.6.2 R51.6.1 U17.6.7 | length 163.2
  Top Layer w8: U17.6.7@-1248.13,510.72 -1248.13,419.13 C75.6.2@-1240.63,411.63 -1230.25,422.02 R51.6.1@-1183.93,422.02
NetC75.7_1: C75.7.1 R47.7.1 R50.7.1 U17.7.6 | length 444.5
  Top Layer w8: R47.7.1@-609.83,333.16 C75.7.1@-609.83,404.16 ; C75.7.1@-601.94,412.05 C75.7.1@-609.83,404.16 ; U17.7.6@-600.17,499.86 -599.86,499.86 U17.7.6@-599.86,506.93 ; R50.7.1@-424.9,523.55 -480.2,578.86 -562.7,578.86 -599.86,541.69 U17.7.6@-599.86,506.93 ; C75.7.1@-609.83,404.16 -603.55,410.44 U17.7.6@-603.55,503.24 U17.7.6@-599.86,506.93